# Altium PCB Tracker.PcbDoc (part 1 of 2) (continued)
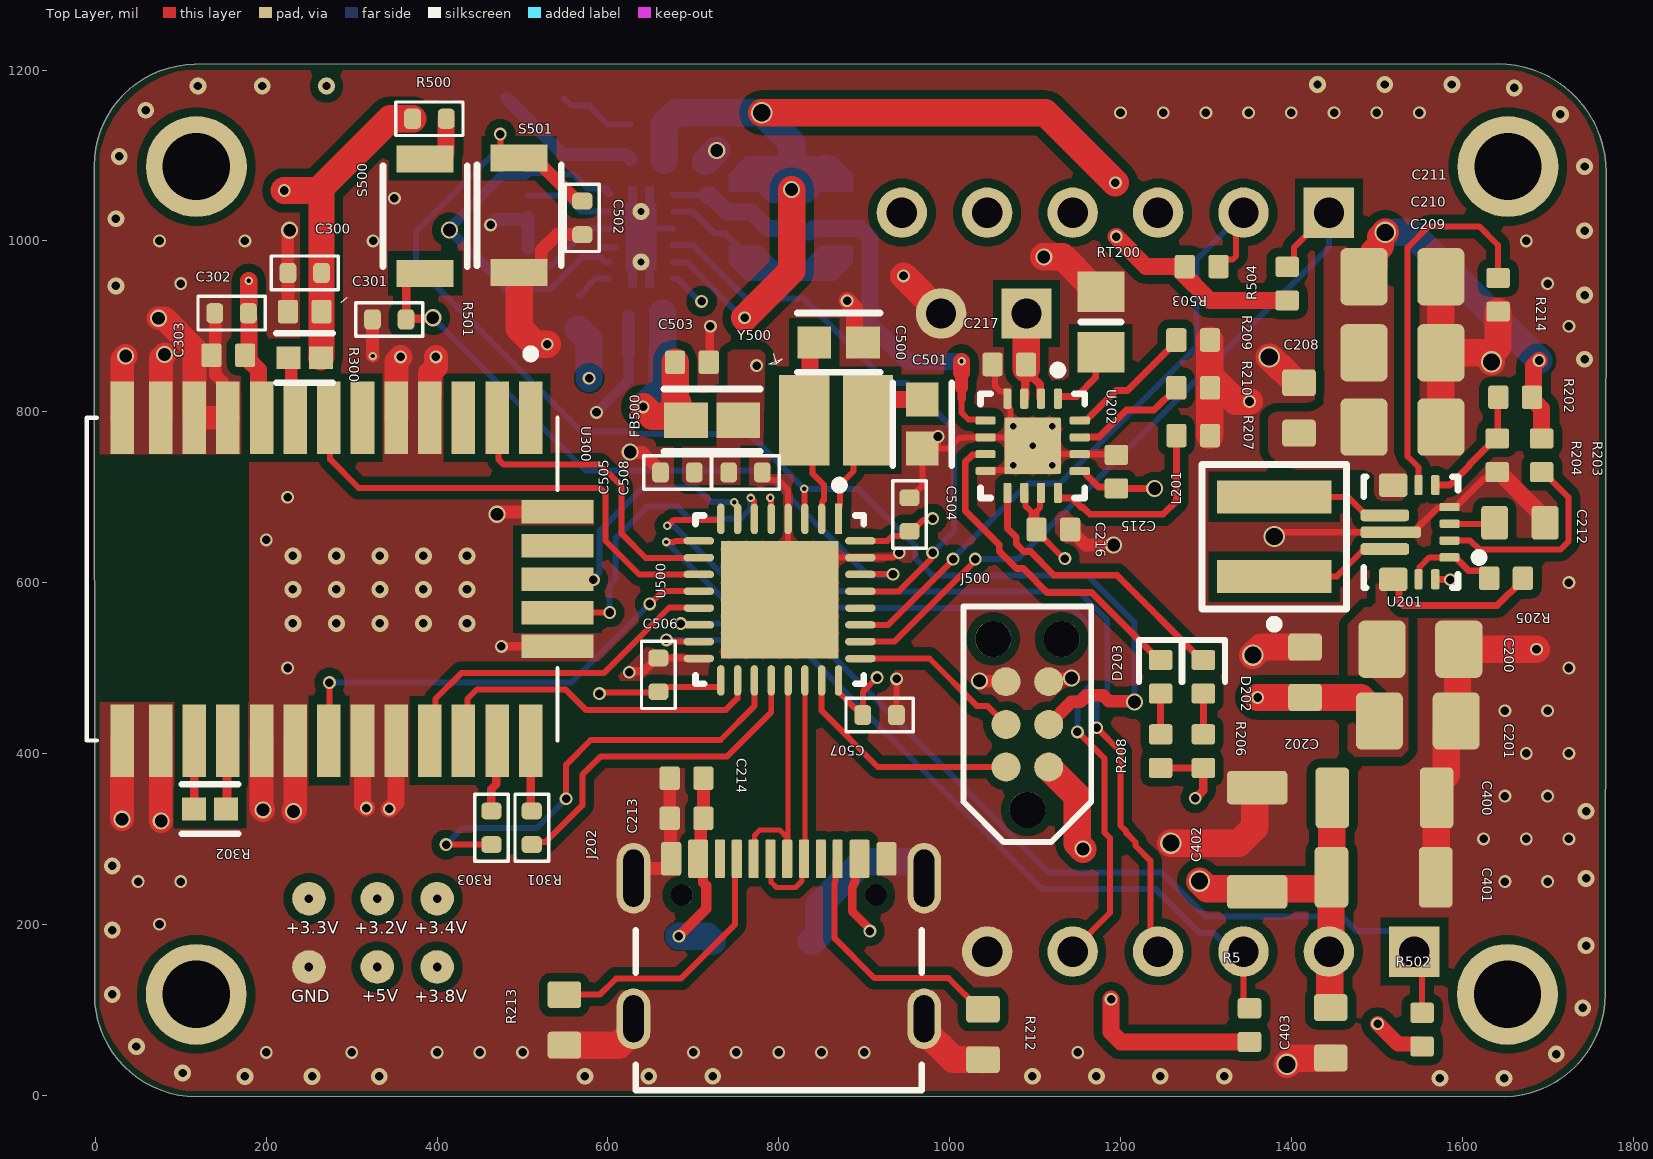
[diagram p0: Top Layer view]
## Classes and differential pairs
differential pair class USB: USB_D
component class Power: +3.2V +3.3V +3.4V +3.8V +5V BT200 C200 C201 C202 C203 C204 C205 C206 C207 C208 C209 C210 C211 C212 C213 C214 C215 C216 C217 D200 D201 D202 D203 GND J200 J201 J202 L200 L201 R200 R201 R202 R203 R204 R205 R206 R207 R208 R209 R210 R212 R213 R214 RT200 U200 U201 U202
component class GSM: C400 C401 C402 C403 GSM400
component class MCU: C500 C501 C502 C503 C504 C505 C506 C507 C508 FB500 J500 R5 R500 R501 R502 R503 R504 S500 S501 U500 X? Y500
component class GPS: C300 C301 C302 C303 R300 R301 R302 R303 U300
differential pair USB_D: +USB_D_P -USB_D_N

## Components (designator, comment, footprint, x,y, rotation, side; value= is the part's Value field where it differs from the comment)
+3.2V "TP_NOBOM" PAD_RND_1MM 330,230 r90 top
+3.3V "TP_NOBOM" PAD_RND_1MM 250,230 r90 top
+3.4V "TP_NOBOM" PAD_RND_1MM 400,230 r90 top
+3.8V "TP_NOBOM" PAD_RND_1MM 400,150 r90 top
+5V "TP_NOBOM" PAD_RND_1MM 330,150 r90 top
BT200 "Battery" BAT-2 1040,915 r180 bottom
C200 "22uF" CAP_0805 1551,522 r180 top
C201 "22uF" CAP_0805 1548,438 r180 top
C202 "10uf" CAP_0603 1416,495 r270 top
C203 "CAP" "C0402 - duplicate" 578.4,1081.31 r90 bottom value=10uF
C204 "0.1uf" C0402 714.4,1073.31 r90 bottom value=0.10uF
C205 "CAP" "C0402 - duplicate" 643.7,869.09 r180 bottom value=10uF
C206 "CAP" "C0402 - duplicate" 646.4,1094.31 r180 bottom value=10uF
C207 "0.1uf" C0402 643.7,912.4 r180 bottom value=0.10uF
C208 "10uf" CAP_0603 1409,804.47 r270 top
C209 "22uF" CAP_0805 1530,782 r180 top
C210 "22uF" CAP_0805 1530,869 r180 top
C211 "22uF" CAP_0805 1530,958 r180 top
C212 "100nF" CAP_0603 1667.53,670 r180 top
C213 "100nF" CAP_0402 692,324 r0 top
C214 "10uF" CAP_0402 692,371 r0 top
C215 "1uF" CAP_0402 1195.17,729.85 r270 top
C216 "4.7uf" CAP_0402 1121.48,662.17 r0 top
C217 "4.7uf" CAP_0402 1069.88,855.32 r180 top
C300 "CAP" "C0402 - duplicate" 245.08,962.6 r180 top value=10nF
C301 "4.7uf" CAP_0402 245.08,917.32 r0 top
C302 "CAP" "C0402 - duplicate" 159.45,915.35 r180 top value=10nF
C303 "10uF" CAP_0402 155.51,866.14 r0 top
C400 "470uF" CAP_1206 1509,348 r180 top
C401 "470uF" CAP_1206 1508,255 r180 top
C402 "10uF" CAP_1206 1360,299.02 r270 top
C403 "100nF" CAP_0603 1446,73 r90 top
C500 "C0603C220K5RACAUTO" FP-C0603C-CF-IPC_B 870,881 r0 top value="22 pF"
C501 "C0603C220K5RACAUTO" FP-C0603C-CF-IPC_B 968,785.58 r270 top value="22 pF"
C502 "CAP" "C0402 - duplicate" 570,1027 r270 top value=10nF
C503 "10uF" CAP_0402 698.32,858 r180 top
C504 "CAP" "C0402 - duplicate" 953,679.68 r90 top value=100nF
C505 "CAP" "C0402 - duplicate" 681.32,729 r180 top value=1uF
C506 "CAP" "C0402 - duplicate" 659,492 r90 top value=100nF
C507 "CAP" "C0402 - duplicate" 918,445 r0 top value=100nF
C508 "CAP" "C0402 - duplicate" 761,729 r0 top value=100nF
D200 "LED" LED-0603-R 515,1167 r180 bottom
D201 "SZSMF6.0AT1G" ONSC-SOD-123FL-2-498_V 780,180 r0 bottom
D202 "RED" LED_0402_RED 1297,489.68 r90 top
D203 "GREEN" LED_0402_GREEN 1247,489.68 r90 top
FB500 "BLM18KG331BH1D" FP-BLM18-0_15-t0_8-IPC_A 722,790 r0 top
GND "TP_NOBOM" PAD_RND_1MM 250,150 r90 top
GSM400 "Sim800L" Sim800L 1745,105 r90 bottom locked
J200 "JUMPER-3-PAD" JUMPER-3-NC 506.4,1052.06 r270 bottom
J201 "JUMPER-3-PAD" JUMPER-3-NC 506.4,966.58 r90 bottom
J202 "USB4105-GF-A-060" USB4105-GF-A-060 800,183 r0 top
J500 "SWD Dubugging Interface" TC2030-NL-FP 1091,434 r90 top
L200 "2.2uf" FP-LPS3314-MFG 814,1026 r90 bottom
L201 "1.5uF" FP-XFL4020-MFG 1380,653.65 r90 top
R5 "10K" RES_0402 1351,82 r90 top
R200 "47K" RES_0402 565.4,916.31 r270 bottom
R201 "1K" R0402 646.65,1137.8 r180 bottom value=2M37
R202 "750K" RES_0402 1662,817 r0 top
R203 "100K" RES_0402 1693,749 r270 top
R204 "200K" RES_0402 1641,749 r90 top
R205 "10K" RES_0402 1651.32,605 r180 top
R206 "1K" RES_0402 1297,402.68 r270 top
R207 "1.18K" RES_0402 1285.17,772.17 r180 top
R208 "1K" RES_0402 1247,402.68 r270 top
R209 "1.13K" RES_0402 1285,884 r180 top
R210 "46.8kΩ" RES_0402 1285,828 r0 top
R212 "5K1" RES_0603 1039,71 r90 top
R213 "5K1" RES_0603 549,88 r90 top
R214 "10ohm" RES_0402 1642,937 r90 top
R300 "AF0402JR-070RL" FP-AF0402-IPC_A 245,863 r0 top
R301 "100" R0402 510.83,312.99 r90 top value=2M37
R302 "AF0402JR-070RL" FP-AF0402-IPC_A 134,335 r180 top
R303 "100" R0402 463.58,312.99 r90 top value=2M37
R500 "1K" R0402 391,1143 r0 top value=2M37
R501 "10K" R0402 344,908 r0 top value=2M37
R502 "100K" RES_0402 1553,76.68 r90 top
R503 "10K" RES_0402 1295,970 r180 top
R504 "10K" RES_0402 1395,950 r90 top
RT200 "Res Thermal" 6-0805_N 1177,905 r90 top
S500 "BOOT" SW_B3U-1000P 386,1029 r90 top
S501 "BOOT" SW_B3U-1000P 496,1030 r90 top
U200 "TPS62740DSST" DSS0012A_V 638.78,1004.92 r180 bottom
U201 "TPS63070RNMR" FP-RNM0015A-MFG 1540,659 r180 top
U202 "BQ24074RGTR" FP-RGT0016C-MFG 1097.17,760.17 r270 top
U300 "L96-M33" XCVR_L96-M33 265.42,604 r270 top
U500 "STM32L071KBU6" FP-UFQFPN32-A0B8-IPC_B 801,580 r270 top
Y500 "NX3225GD-8MHZ-STD-CRA-3" NDK-NX3225GD-8MHZ-STD-CRA-3_V 867,790 r0 top

## Footprints (in the part's own frame and the unit in brackets; to place one, negate y for a bottom-side part, rotate by r counter-clockwise, add the part's x,y. Pads: shape width x height; smd on the part's side, far side on the other; paste and mask are expansions set on the pad)
6-0805_N [mm]
  rect 1.2x1.4 smd: 1(-0.9,0) 2(0.9,0)
  silkscreen extent 0,-0.6 0,0.6, body extent -1.07,-0.7 1.07,0.7, height 0.7
BAT-2 [mm] "Battery; 2 Leads"
  rect 1.5x1.5 hole 0.9: 1(-1.27,0)
  round 1.5 hole 0.9: 2(1.27,0)
  silkscreen extent -2.54,-1.27 2.54,1.27
C0402 [mm]
  rrect50% 0.5x0.6 smd: 1(-0.5,0) 2(0.5,0)
  silkscreen extent -1,-0.5 1,0.5, body extent -0.51,-0.25 0.51,0.25, height 0.51
"C0402 - duplicate" [mm]
  rrect50% 0.5x0.6 smd: 1(-0.5,0) 2(0.5,0)
  silkscreen extent -1,-0.5 1,0.5, body extent -0.51,-0.25 0.51,0.25, height 0.51
CAP_0402 [mm]
  rrect25% 0.6x0.7 smd: 1(-0.5,0) 2(0.5,0)
  body extent -0.5,-0.26 0.5,0.26, height 0.37
CAP_0603 [mm]
  rrect25% 0.8x1 smd: 1(-0.75,0) 2(0.75,0)
  body extent -0.8,-0.4 0.8,0.4, height 0.51
CAP_0805 [mm]
  rrect25% 1.4x1.7 smd: 1(-1.143,0) 2(1.143,0)
  body extent -1.15,-0.76 1.15,0.79, height 1.01
CAP_1206 [mm]
  rrect25% 1x1.8 smd: 1(-1.55,0) 2(1.55,0)
  body extent -1.6,-0.8 1.6,0.8, height 0.94
DSS0012A_V [mm] "SON, 12-Leads, Body 2x3mm, Pitch 0.5mm, Thermal Pad 2x0.9mm, TI Recommended"
  rrect40% 0.5x0.25 smd: 1(-0.95,1.25) 2(-0.95,0.75) 3(-0.95,0.25) 4(-0.95,-0.25) 5(-0.95,-0.75) 6(-0.95,-1.25) 7(0.95,-1.25) 8(0.95,-0.75) 9(0.95,-0.25) 10(0.95,0.25) 11(0.95,0.75) 12(0.95,1.25)
  rrect11% 0.9x2 smd paste-0.45: 13(0,0)
  Top Layer region: -0.375,-1.5 -0.375,-1 -0.45,-1 -0.45,1 -0.375,1 -0.375,1.5 -0.125,1.5 -0.125,1 0.125,1 0.125,1.5 0.375,1.5 0.375,1 0.45,1 0.45,-1 0.375,-1 0.375,-1.5 0.125,-1.5 0.125,-1 -0.125,-1 -0.125,-1.5
  silkscreen extent -1.05,-1.7 1.05,1.7, body extent -1,-1.5 1,1.5, height 0.8
FP-AF0402-IPC_A [mil]
  rect 28.16x26.48 smd paste+0 mask+0: 1(-18.84,0) 2(18.84,0)
  silkscreen extent -33,-29 33,29, body extent -41,-21 41,21, height 10
FP-BLM18-0_15-t0_8-IPC_A [mil]
  rect 51.42x41.66 smd paste+0 mask+0: 1(-30.55,0) 2(30.55,0)
  silkscreen extent -56,-37 56,37, body extent -76,-41 76,41, height 10
FP-C0603C-CF-IPC_B [mil]
  rect 39.63x37.73 smd paste+0 mask+0: 1(-28.58,0) 2(28.58,0)
  silkscreen extent -48,-35 48,35, body extent -58,-29 58,29, height 10
FP-LPS3314-MFG [mil]
  round 32.55 smd paste+0 mask+0: 1(-49.58,-44.41) 2(54.75,-39.25)
  Top Layer region: 72.83,-52.17 52.17,-72.83 31.5,-72.83 31.5,-34.84 49.21,-17.34 49.21,17.34 31.5,34.84 31.5,72.83 52.17,72.83 72.83,52.17
  Top Layer region: -72.83,-52.17 -52.17,-72.83 -31.5,-72.83 -31.5,-34.84 -49.21,-17.34 -49.21,17.34 -31.5,34.84 -31.5,72.83 -52.17,72.83 -72.83,52.17
  silkscreen extent -100,-67 17,67, body extent -65,-65 65,65, height 56
FP-RGT0016C-MFG [mm]
  rrect42% 0.6x0.24 smd paste+0 mask+0: 1(-1.4,0.75) 2(-1.4,0.25) 3(-1.4,-0.25) 4(-1.4,-0.75) 9(1.4,-0.75) 10(1.4,-0.25) 11(1.4,0.25) 12(1.4,0.75)
  rrect42% 0.24x0.6 smd paste+0 mask+0: 5(-0.75,-1.4) 6(-0.25,-1.4) 7(0.25,-1.4) 8(0.75,-1.4) 13(0.75,1.4) 14(0.25,1.4) 15(-0.25,1.4) 16(-0.75,1.4)
  rrect6% 1.68x1.68 smd paste-1000 mask+0: 17(0,0)
  silkscreen extent -2.37,-1.55 1.55,1.55, body extent -1.5,-1.5 1.5,1.5, height 1
FP-RNM0015A-MFG [mm]
  rrect40% 0.6x0.25 smd paste+0 mask-1000: 1(-1.15,0.75) 2(-1.15,0.25) 3(-1.15,-0.25) 4(-1.15,-0.75)
  rrect40% 0.25x0.6 smd paste+0 mask-1000: 5(-0.725,-1.4) 6(-0.225,-1.4) 14(-0.225,1.4) 15(-0.725,1.4)
  rrect29% 0.85x0.7 smd paste-1000 mask-1000: 7-8(0.525,-1.4) 12-13(0.525,1.4)
  rrect57% 1.45x0.35 smd paste-1000 mask-1000: 9(0.775,-0.5) 11(0.775,0.5)
  rrect57% 1.8x0.35 smd paste-1000 mask-1000: 10(0.6,0)
  silkscreen extent -2.15,-1.65 1.4,1.65, body extent -1.25,-1.5 1.25,1.5, height 1
FP-UFQFPN32-A0B8-IPC_B [mm]
  rect 0.91x0.222 smd paste+0 mask+0: 1(-2.401,1.75)
  rrect100% 0.91x0.222 smd paste+0 mask+0: 2(-2.401,1.25) 3(-2.401,0.75) 4(-2.401,0.25) 5(-2.401,-0.25) 6(-2.401,-0.75) 7(-2.401,-1.25) 8(-2.401,-1.75) 17(2.401,-1.75) 18(2.401,-1.25) 19(2.401,-0.75) 20(2.401,-0.25) 21(2.401,0.25) 22(2.401,0.75) 23(2.401,1.25) 24(2.401,1.75)
  rrect100% 0.222x0.91 smd paste+0 mask+0: 9(-1.75,-2.401) 10(-1.25,-2.401) 11(-0.75,-2.401) 12(-0.25,-2.401) 13(0.25,-2.401) 14(0.75,-2.401) 15(1.25,-2.401) 16(1.75,-2.401) 25(1.75,2.401) 26(1.25,2.401) 27(0.75,2.401) 28(0.25,2.401) 29(-0.25,2.401) 30(-0.75,2.401) 31(-1.25,2.401) 32(-1.75,2.401)
  rect 3.5x3.5 smd paste-1000 mask+0: 33(0,0)
  silkscreen extent -3.53,-2.5 2.5,2.5, body extent -3.11,-3.11 3.11,3.11, height 0.25
FP-XFL4020-MFG [mm]
  rect 0.98x3.4 smd paste+0 mask+0: 1(-1.185,0) 2(1.185,0)
  silkscreen extent -2.72,-2.15 2.15,2.15, body extent -2,-2 2,2, height 2.23
JUMPER-3-NC [mm]
  rect 0.5x1 smd: 1(-0.693,0) 2(-0.032,0) 3(0.629,0)
  silkscreen extent -1.09,-0.64 1.04,0.64, body extent -0.29,-0.53 0.9,0.53, height 0.5
LED-0603-R [mm]
  round 0.254 on Mech16: 0(0,0)
  rrect25% 0.8x0.8 smd: A(-0.85,0) K(0.85,0)
  Top Layer pour cut-out: -0.5,0.5 0.5,0.5 0.5,-0.5 -0.5,-0.5
  silkscreen extent -1.55,-0.67 1.68,0.67, body extent -0.8,-0.4 0.8,0.4, height 0.6
LED_0402_GREEN [mm]
  rrect25% 0.6x0.7 smd: A(-0.5,0) K(0.5,0)
  silkscreen extent -0.15,-0.65 1.1,0.65, body extent -0.51,-0.25 0.51,0.25, height 0.45
LED_0402_RED [mm]
  rrect25% 0.6x0.7 smd: A(-0.5,0) K(0.5,0)
  silkscreen extent -0.15,-0.65 1.1,0.65, body extent -0.51,-0.25 0.51,0.25, height 0.45
NDK-NX3225GD-8MHZ-STD-CRA-3_V [mm] "SMD, 2-Leads, Body 3.2x2.5mm"
  rect 1.5x2.7 smd: 1(-0.95,0) 2(0.95,0)
  body extent -1.6,-1.25 1.6,1.25, height 1
ONSC-SOD-123FL-2-498_V [mm] "SOD, 2-Leads, Body 2.7x1.65mm"
  rect 1.25x1.22 smd: 1(-1.475,0) 2(1.475,0)
  silkscreen extent -1.6,-0.82 0.45,1.28, body extent -1.35,-0.82 1.35,0.82, height 0.98
PAD_RND_1MM [mm]
  round 1 smd paste-0.5 mask+0: 1(0,0)
R0402 [mm]
  rrect50% 0.5x0.6 smd: 1(-0.5,0) 2(0.5,0)
  silkscreen extent -1,-0.5 1,0.5, body extent -0.51,-0.25 0.51,0.25, height 0.51
RES_0402 [mm]
  rrect25% 0.6x0.7 smd: 1(-0.5,0) 2(0.5,0)
  body extent -0.5,-0.25 0.5,0.25, height 0.3
RES_0603 [mm]
  rrect25% 0.8x1 smd: 1(-0.75,0) 2(0.75,0)
  body extent -0.8,-0.43 0.8,0.43, height 0.52
Sim800L [mm]
  rect 1.5x1.5 hole 0.9: 1(1.6,-5.105) 7(23.571,-7.645)
  round 1.5 hole 0.9: 2(1.6,-7.645) 3(1.6,-10.185) 4(1.6,-12.725) 5(1.6,-15.265) 6(1.6,-17.805) 8(23.571,-10.185) 9(23.571,-12.725) 10(23.571,-15.265) 11(23.571,-17.805) 12(23.571,-20.345)
  silkscreen extent 0.03,-22.76 25.22,0.28, body extent 0.12,-23 25.12,0.14, height 6.91
SW_B3U-1000P [mm]
  rect 0.8x1.7 smd: 1(-1.7,0) 2(1.7,0)
  silkscreen extent -1.5,-1.25 1.5,1.25, body extent -1.5,-1.25 1.5,1.25, height 1.75
TC2030-NL-FP [mil]
  round 33.98 smd paste-16.99: 1(-50,-25) 2(-50,25) 3(0,-25) 4(0,25) 5(50,-25) 6(50,25)
  round 42.01 hole 42.01 unplated: MH(-100,0) MH(100,-40) MH(100,40)
  silkscreen extent -138,-75 138,75
USB4105-GF-A-060 [mm]
  rrect25% 0.6x1 smd mask+0.05: A1B12(-3.2,2.378) B1A12(3.2,2.378)
  rrect25% 0.6x1.15 smd mask+0.05: A4B9(-2.4,2.378) B4A9(2.4,2.378)
  rrect25% 0.3x1.15 smd mask+0.05: A5(-1.25,2.378) A6(-0.25,2.378) A7(0.25,2.378) A8(1.25,2.378) B5(1.75,2.378) B6(0.75,2.378) B7(-0.75,2.378) B8(-1.75,2.378)
  round 0.65 hole 0.65 unplated mask+0.05: MH(-2.89,1.303) MH(2.89,1.303)
  oval 1x1.8 hole 0.6 slot 1.4 at 90 deg: SH(-4.32,-2.377) SH(4.32,-2.377)
  oval 1x2.1 hole 0.6 slot 1.7 at 90 deg: SH(-4.32,1.803) SH(4.32,1.803)
  silkscreen extent -4.25,-4.5 4.25,0.25, body extent -4.47,-4.97 4.47,2.73, height 3.27
XCVR_L96-M33 [mm]
  rect 2.15x0.7 smd: 1(-4.8,6.2) 2(-4.8,5.2) 3(-4.8,4.2) 4(-4.8,3.2) 5(-4.8,2.2) 6(-4.8,1.2) 7(-4.8,0.2) 8(-4.8,-0.8) 9(-4.8,-1.8) 10(-4.8,-2.8) 11(-4.8,-3.8) 12(-4.8,-4.8) 13(-4.8,-5.95) 14(4.8,-5.95) 15(4.8,-4.8) 16(4.8,-3.8) 17(4.8,-2.8) 18(4.8,-1.8) 19(4.8,-0.8) 20(4.8,0.2) 21(4.8,1.2) 22(4.8,2.2) 23(4.8,3.2) 24(4.8,4.2) 25(4.8,5.2) 26(4.8,6.2)
  rect 0.7x2.15 smd: 27(2,7) 28(1,7) 29(0,7) 30(-1,7) 31(-2,7)
  silkscreen extent -6.8,-7 4.8,7, body extent -4.83,-7 4.77,7, height 2.2

## Part data
+3.2V +3.3V +3.4V +3.8V +5V GND: library part TEST_POINT_RND_1MM, "Test Point Round 1mm (NO BOM)"
BT200: "Multicell Battery", LatestRevisionDate=17-Jul-2002, LatestRevisionNote="Re-released for DXP Platform.", PackageDescription="Battery; 2 Leads", PackageReference=BAT-2, Published=24-Mar-1999, Publisher="Altium Limited"
C200 C201 C209 C210 C211: library part CAP_0805, "Capacitor SMD 0805"
C202 C208 C212 C403: library part CAP_0603, "Capacitor SMD 0603"
C203 C205 C206: "CAP CER 10UF 10V X5R 0402", Manufacturer="KEMET - Electronic Component", Manufacturer Part Number=C0603C104K8RACTU, Operating Temperature="-55°C ~ 125°C", Part Number=C00062, Supplier Part Number 1=399-1095-2-ND, Temperature Coefficient=X7R, Tolerance=±10%, Voltage=10V, HelpURL=http://www.kemet.com/Lists/ProductCatalog/Attachments/53/KEM_C1002_X7R_SMD.pdf, Supplier 1=Digi-Key, Type=CER
C204 C207: library part CAP_2, "CAP CER 0.1UF 10V X5R 0402", Manufacturer="KEMET - Electronic Component", Manufacturer Part Number=C0603C104K8RACTU, Operating Temperature="-55°C ~ 125°C", Part Number=C00062, Supplier Part Number 1=399-1095-2-ND, Temperature Coefficient=X7R, Tolerance=±10%, Voltage=10V, HelpURL=http://www.kemet.com/Lists/ProductCatalog/Attachments/53/KEM_C1002_X7R_SMD.pdf, Supplier 1=Digi-Key, Type=CER
C213 C214 C215 C216 C217 C301 C303 C503: library part CAP_0402, "Capacitor SMD 0402"
C300 C302 C502 C504 C505 C506 C507 C508: "CAP CER 0.1UF 10V X7R 0603", Manufacturer="KEMET - Electronic Component", Manufacturer Part Number=C0603C104K8RACTU, Operating Temperature="-55°C ~ 125°C", Part Number=C00062, Supplier Part Number 1=399-1095-2-ND, Temperature Coefficient=X7R, Tolerance=±10%, Voltage=10V, HelpURL=http://www.kemet.com/Lists/ProductCatalog/Attachments/53/KEM_C1002_X7R_SMD.pdf, Supplier 1=Digi-Key, Type=CER
C400 C401 C402: library part CAP_1206, "Capacitor SMD 1206"
C500 C501: library part CMP-03020-018041-1, "Cap Ceramic 22pF 50V X7R 10% SMD 0603 125°C Punched Paper T/R", Capacitance="22 pF", Manufacturer=KEMET, Package=C0603C-CF, Temperature="-55°C to +125°C", Temperature Characteristic=X7R, Temperature Coefficient=30ppm/°C, Temperature Range High=+125°C, Temperature Range Low=-55°C, Tolerance=0.1, Voltage Rating="50 V", Automotive=Yes, Automotive Grade="Grade 1", Category=Cap, ComponentLink2Description=Datasheet, ComponentLink2URL=https://api.kemet.com/component-edge/download/datasheet/C0603C100J5GACAUTO.pdf, Device Class L1="Passive Components", Device Class L2=Capacitors, Device Class L3="Ceramic Capacitors", Digikey Description="Cap Ceramic 22pF 50V X7R 10% SMD 0603 125°C Punched Paper T/R", Height=0.87mm, Lead Free=Yes, Manufacturer Part Number=C0603C220K5RACAUTO, Material=Ceramic, Mouser Description="Cap Ceramic 22pF 50V X7R 10% SMD 0603 125°C Punched Paper T/R", Octopart=https://octopart.com/c0603c220k5racauto-kemet-70963357, RoHS=TRUE
D200: "Typical RED GaAs LED", Manufacturer="Lite-On Inc.", PartNumber=LTST-C190GKT, Supplier Part Number 1=160-1183-1-ND, ComponentLink1Description="Datasheet link", ComponentLink1URL=http://media.digikey.com/pdf/Data%20Sheets/Lite-On%20PDFs/LTST-C190GKT.pdf, LatestRevisionDate=2016-10-04, LatestRevisionNote="Mech Layer 1 removed.", PackageDescription="LED; 2 Leads", PackageReference=LED-1, Published=8-Jun-2000, Publisher="Walid Balid", RoHS=Y, Supplier 1=Digi-Key
D201: library part CMP-1061-00610-1, "200 W Transient Voltage Suppressor, 2-Pin SOD-123FL, Pb-Free, Tape and Reel", Manufacturer="On Semiconductor", ComponentLink1Description="Manufacturer URL", ComponentLink1URL=http://www.onsemi.com/, ComponentLink2Description=Datasheet, ComponentLink2URL=http://www.onsemi.com/pub_link/Collateral/SMF5.0AT1-D.PDF, ComponentLink3Description="Package Specification", ComponentLink3URL=http://www.onsemi.com/pub_link/Collateral/498-01.PDF, DatasheetVersion="Rev. 7", Direction=Unidirectional, IR Max (uA)=400, Mounting Technology="Surface Mount", PackageDescription="2-Pin SOD, Body 1.65 x 2.7 mm", PackageReference=SOD-123FL-2-498, PackageVersion="Rev. D, 05/2013", Packing="Tape and Reel", PartNumber=SZSMF6.0AT1G, RoHS=Pb-Free, V(BR) Typ (V)=7.02
D202: library part LED_0402_RED, "LED 0402 RED SMD"
D203: library part LED_0402_GREEN, "LED 0402 GREEN SMD"
FB500: library part CMP-06046-002312-1, "Chip Ferrite Bead, 0603, 330Ω @ 100MHz, 0.08Ω, 25%, 1.2A", Case Code (Imperial)=0603, Case Code (Metric)=1608, DC Resistance (DCR)=80mR, Max Current Rating=1.2A, Max Operating Temperature=150°C, Min Operating Temperature=-55°C, Ratings=AEC-Q200, Case/Package=0603, Number of Lines=1, RoHS Compliant=Yes
J202: "USB Connector Type C SMT 12 Pin", Manufacturer=GCT, Distributor Link=https://eu.mouser.com/ProductDetail/GCT/USB4105-GF-A-060?qs=QNEnbhJQKvY2mocwNJzgfA%3D%3D, Manufacturer Part Number=USB4105-GF-A-060
J500: library part TC2030-NL, "Tag-Connect No-Solder SWD Debug Connector (No Legs) DO NOT PLACE", Manufacturer=Tag-Connect, Manufacturer Part Number=TC2030-NL-FP
L200: library part CMP-11268-000121-1, "Fixed Inductors 82uH Shld 20% 260mA 2 Ohms LPS3314-823MRC    Inductor, Multilayer, Ceramic, 2.2uH, 0.7A, 0.23 ohm, SMD"
L201: library part CMP-11268-000104-1, "Inductor Power Shielded Wirewound 1.5uH 20% 100KHz 9.1A 15.8mOhm DCR 1515 Automotive Embossed Plastic T/R     XFL4020-152MEC", Case/Package=SMD/SMT, DC Resistance (DCR)=15.8mR, Inductance=1.5uH, Inductance Tolerance=20%, Max DC Current=9.1A, Max Operating Temperature=125°C, Min Operating Temperature=-40°C, Saturation Current=4.1A, Self Resonant Frequency=59MHz, Test Frequency=100kHz, Core Material=Composite, Height=2.1mm, Lead Free="Contains Lead", Length=4.3mm, Mount="Surface Mount", Packaging="Tape and Reel", REACH SVHC="No SVHC", RMS Current (Irms)=9.1A, RoHS Compliant=Yes, Series=XFL4020, Shielding=Shielded, Termination=SMD/SMT, Tolerance=20%, Width=4.3mm
R5 R200 R202 R203 R204 R205 R206 R207 R208 R209 R210 R214 R502 R503 R504: library part RES_0402, "Resistor SMD 0402"
R201: library part RES, "RES SMD 1K OHM 5% 1/16W 0402", Manufacturer=Yageo, Manufacturer Part Number=RC0603FR-0715RL, Operating Temperature="-55°C ~ 155°C", Part Number=R00007, Power=1/10W, Supplier Part Number 1=311-15.0HRCT-ND, Temperature Coefficient=±100ppm/°C, Tolerance=±1%, HelpURL=http://www.yageo.com/NewPortal/yageodocoutput?fileName=/pdf/R-Chip/PYu-RC_Group_51_RoHS_L_3.pdf, Supplier 1=Digi-Key
R212 R213: library part RES_0603, "Resistor SMD 0603"
R300 R302: library part CMP-03412-048355-1, "Anti-Sulfurated Chip Resistors Automotive Grade 0Ω 0402", Case Code (Imperial)=0402, Case Code (Metric)=1005, Max Operating Temperature=155°C, Max Power Dissipation=63mW, Min Operating Temperature=-55°C, Package Quantity=10000, Resistance=0R, Resistor Type="Thick Film", Tolerance=5%, Case/Package=0402, Features="Moisture Resistant", Height=0.015inch, Length=0.039inch, Number of Terminations=2, Packaging="Tape and Reel", RoHS Compliant=Yes, Series=AF, Termination=SMD/SMT, Weight=2.3E-05oz, Width=0.5mm
R301 R303 R500 R501: library part RES, "RES SMD 15 OHM 1% 1/10W 0603", Manufacturer=Yageo, Manufacturer Part Number=RC0603FR-0715RL, Operating Temperature="-55°C ~ 155°C", Part Number=R00007, Power=1/10W, Supplier Part Number 1=311-15.0HRCT-ND, Temperature Coefficient=±100ppm/°C, Tolerance=±1%, HelpURL=http://www.yageo.com/NewPortal/yageodocoutput?fileName=/pdf/R-Chip/PYu-RC_Group_51_RoHS_L_3.pdf, Supplier 1=Digi-Key
RT200: "Thermistor", Code_IPC=RESC2012, LatestRevisionDate=29-May-2009, LatestRevisionNote="IPC-7351 Footprint Added.", PackageDescription="Chip Resistor 0805 Case Size", PackageReference=6-0805, PackageVersion=Mar-2003, Published=24-Mar-1999, Publisher="Altium Limited"
S500 S501: library part B3U-1000P, "SWITCH TACTILE SPST-NO 0.05A 12V", CurrentRating_mA=50, Manufacturer="Omron Electronic Components", Supplier Part Number 1=SW1020CT-ND, Circuit=SPST-NO, ComponentLink1Description="Datasheet URL", ComponentLink1URL=http://www.components.omron.com/components/web/PDFLIB.nsf/0/2DD3893C7DD33E9E862572900079E9D6/$file/B3U_1110.pdf, CompType=Switch, LatestRevisionDate=2015-03-16, MountType=SMT, Orientation="Top Actuated", PackageReference=3x1.6x2.5mm, PartNumber=B3U-1000P, PositionCount=1, Publisher="Texas Instruments", RoHS=Y, Supplier 1=Digi-Key, Supplier 2=Mouser, Supplier 3=Farnell, Supplier Part Number 2=653-B3U-1000P, Supplier Part Number 3=1333652, SwitchFunction=Off-Mom, SymbolCreator=a0412235, SymbolVersion=2012-10-29, VDC_V=12
U200: library part CMP-0323-00573-2, "Step Down Converter For Low Power Applications, 2.2 to 5.5 V VIN, -40 to 85 degC, 12-Pin WSON (DSS), RoHS, Tape and Reel", PartNumber=TPS62740, Temperature Max="85 degC", Temperature Min="-40 degC", ComponentLink1Description="Manufacturer URL", ComponentLink1URL=http://www.ti.com/, ComponentLink2Description=Datasheet, ComponentLink2URL=http://www.ti.com/lit/ds/symlink/tps62740.pdf, ComponentLink3Description="Package Specification", ComponentLink3URL=http://www.ti.com/litv/pdf/mpds336b, DatasheetVersion=SLVSB02B, Mounting Technology="Surface Mount", PackageDescription="12-Pin Plastic Small Outline, Body 3 x 2 mm, Pitch 0.5 mm", PackageReference=DSS0012A, PackageVersion="4209244/C, 07/2011", Packing="Tape and Reel", RoHS=TRUE, VIN Max="5.5 V", VIN Min="2.2 V", VOUT Max="3.3 V", VOUT Min="1.8 V"
U201: library part CMP-04918-000409-1, "IC REG BCK BST ADJ 3.6A 15VQFN", Case/Package=VQFN, Max Input Voltage=16V, Max Operating Temperature=125°C, Max Output Voltage=9V, Min Input Voltage=2V, Min Operating Temperature=-40°C, Min Output Voltage=2.5V, Output Current=2A, Quiescent Current=50uA, Switching Frequency=2.4MHz, Lead Free="Lead Free", Mount="Surface Mount", Number Of Outputs=1, Number of Pins=15, Output Configuration=Positive, Output Type=Adjustable, Packaging="Tape and Reel", RoHS Compliant=Yes, Synchronous Rectifier=Yes, Topology=Buck-Boost
U202: library part CMP-0321-00220-3, "IC LI-ION CHARGE MGMT 16-QFN", Battery Pack Voltage=4.2V, Case/Package=VQFN, Max Charge Current=1.5A, Max Operating Temperature=125°C, Max Supply Voltage=10.2V, Min Input Voltage=4.3V, Min Operating Temperature=-40°C, Min Supply Voltage=4.35V, Package Quantity=3000, Battery Chemistry=LITHIUM-ION, Contact Plating=Gold, Fault Protection="Over Voltage", Interface=USB, Lead Free="Lead Free", Number of Cells=1, Number of Pins=16, Output Current=1.5A, Output Voltage=4.2V, Packaging="Tape and Reel", Radiation Hardening=No, RoHS Compliant=Yes, Series=-, Weight=0.000808oz
U300: "L96 is a concurrent multi-GNSS receiver module with embedded chip antenna. With 33 tracking channels, 99 acquisition channels and 210 PRN channels, L96 supports concurrent reception of up to three GNSS systems (GPS+GLONASS+Galileo)", Package=None, Availability=Unavailable, MF=Quectel, MP=L96-M33, Price=None, SnapEDA_Link=https://www.snapeda.com/parts/L96-M33/Quectel/view-part/2780781/?ref=snap
U500: library part CMP-12105-000059-1, "IC MCU 32BIT 128KB FLASH 32QFPN", Ambient Temperature Range High=+85°C, Ambient Temperature Range Low=-40°C, Frequency=32MHz, Manufacturer=STMicroelectronics, Max Junction Temp=+105°C, Max Supply Voltage=3.6V, Min Supply Voltage=1.8V, Package=UFQFPN32-A0B8, Temperature="-40°C to +85°C", Automotive=No, Category=IC, ComponentLink2Description=Datasheet, ComponentLink2URL=https://www.st.com/resource/en/datasheet/stm32l071cb.pdf, Core Architecture="Arm Cortex-M0+", Data Bus Width=32bits, Device Class L1="Integrated Circuits (ICs)", Device Class L2="Embedded Processors and Controllers", Device Class L3=Microcontrollers, Digikey Description="IC MCU 32BIT 128KB FLASH 32QFPN", Height=0.6mm, Interface=I2C,SPI,UART,USART,LIN,IrDA,SMBus,Other, Ipc Land Pattern Name=QFN50P500X500X55-32, Lead Free=Yes, Manufacturer Part Number=STM32L071KBU6, Memory Size=128KBytes, Memory Type=FLASH, Mouser Description="ARM Microcontrollers - MCU", Number Of A/D Converters=1, Number Of Adc Channels=10, Number Of Cores=1, Number Of I2C Channels=2, Number Of I/Os=23, Number Of Spi Channels=4, Number Of Timers/Counters=9, Number Of Uart Channels=4, Octopart=https://octopart.com/stm32l071kbu6-stmicroelectronics-67270308, Ram Size=20KBytes, RoHS=TRUE, Temperature Range High=+85°C, Temperature Range Low=-40°C
Y500: library part CMP-2000-07595-1, "Crystal Unit, 8 MHz, 8 pF, -40 to 150 degC, 2-Pin SMD, RoHS, Tape and Reel", Case/Package=SMD/SMT, ESR (Equivalent Series Resistance)=500Ohm, Frequency=8MHz, Frequency Stability=150ppm, Frequency Tolerance=50ppm, Load Capacitance=8pF, Manufacturer=NDK, Max Operating Temperature=150degC, Min Operating Temperature=-40degC, Package Description="2-Pin Surface Mount Device, Body 3.2 x 2.5 mm", Package Quantity=3000, Datasheet URL=http://www.ndk.com/images/products/catalog/c_NX3225GD-STD-CRA-3_e.pdf, Datasheet Version=11/2016, Height=0.039inch, Length=0.126inch, Manufacturer URL=http://www.ndk.com/en/, Mount=SurfaceMount, Mounting Technology=SurfaceMount, Number of Pins=2, Package Reference=NX3225GD-8MHZ-STD-CRA-3, Packaging=TapeandReel, RoHSCompliant=True, Width=0.098inch

## Free pads (board coordinates)
  round 118.11 hole 78.74: 1(118.11,1087) 2(1653.54,1087) 3(1653,118) 4(118,118)

## Via types
v1: diameter 15, hole 10, Top Layer to Bottom Layer, 104 vias
v2: diameter 19.68, hole 9.84, Top Layer to Bottom Layer, tented both sides, 38 vias
v3: diameter 20, hole 15, Top Layer to Bottom Layer, 21 vias
v4: diameter 20, hole 10, Top Layer to Bottom Layer, 15 vias
v5: diameter 10, hole 5, Top Layer to Bottom Layer, 9 vias
v6: diameter 25, hole 20, Top Layer to Bottom Layer, 9 vias
v7: diameter 19.68, hole 7.87, Top Layer to Bottom Layer, 7 vias

## Nets (pads, with @x,y where several pads share a name; then routed paths per layer and width w, separated by ;. In a path a pad name is that pad's centre, name@x,y a point inside that pad or via, vN(x,y) a via of type N, cw(c..) or ccw(c..) an arc to the next point about the centre after c; other vN are vias at no path point)
DTR: GSM400.8 R503.1 U500.27 | length 789.2
  Top Layer w7: U500.27@895.54,550.47 928.01,550.47 1004.07,626.52 v1(1004.07,627.51) ; R503.1@1314.68,970 1322.87,978.18 1331.21,978.18 1335.32,982.28 1335.32,1024.32 GSM400.8@1344,1033
  Bottom Layer w7: v1(1004.07,627.51) 1004.07,628.44 1091.61,715.99 1128.84,715.99 1289,876.15 1289,978 GSM400.8@1344,1033